# Altium PCB eps-flight.PcbDoc (part 1 of 4) (continued)
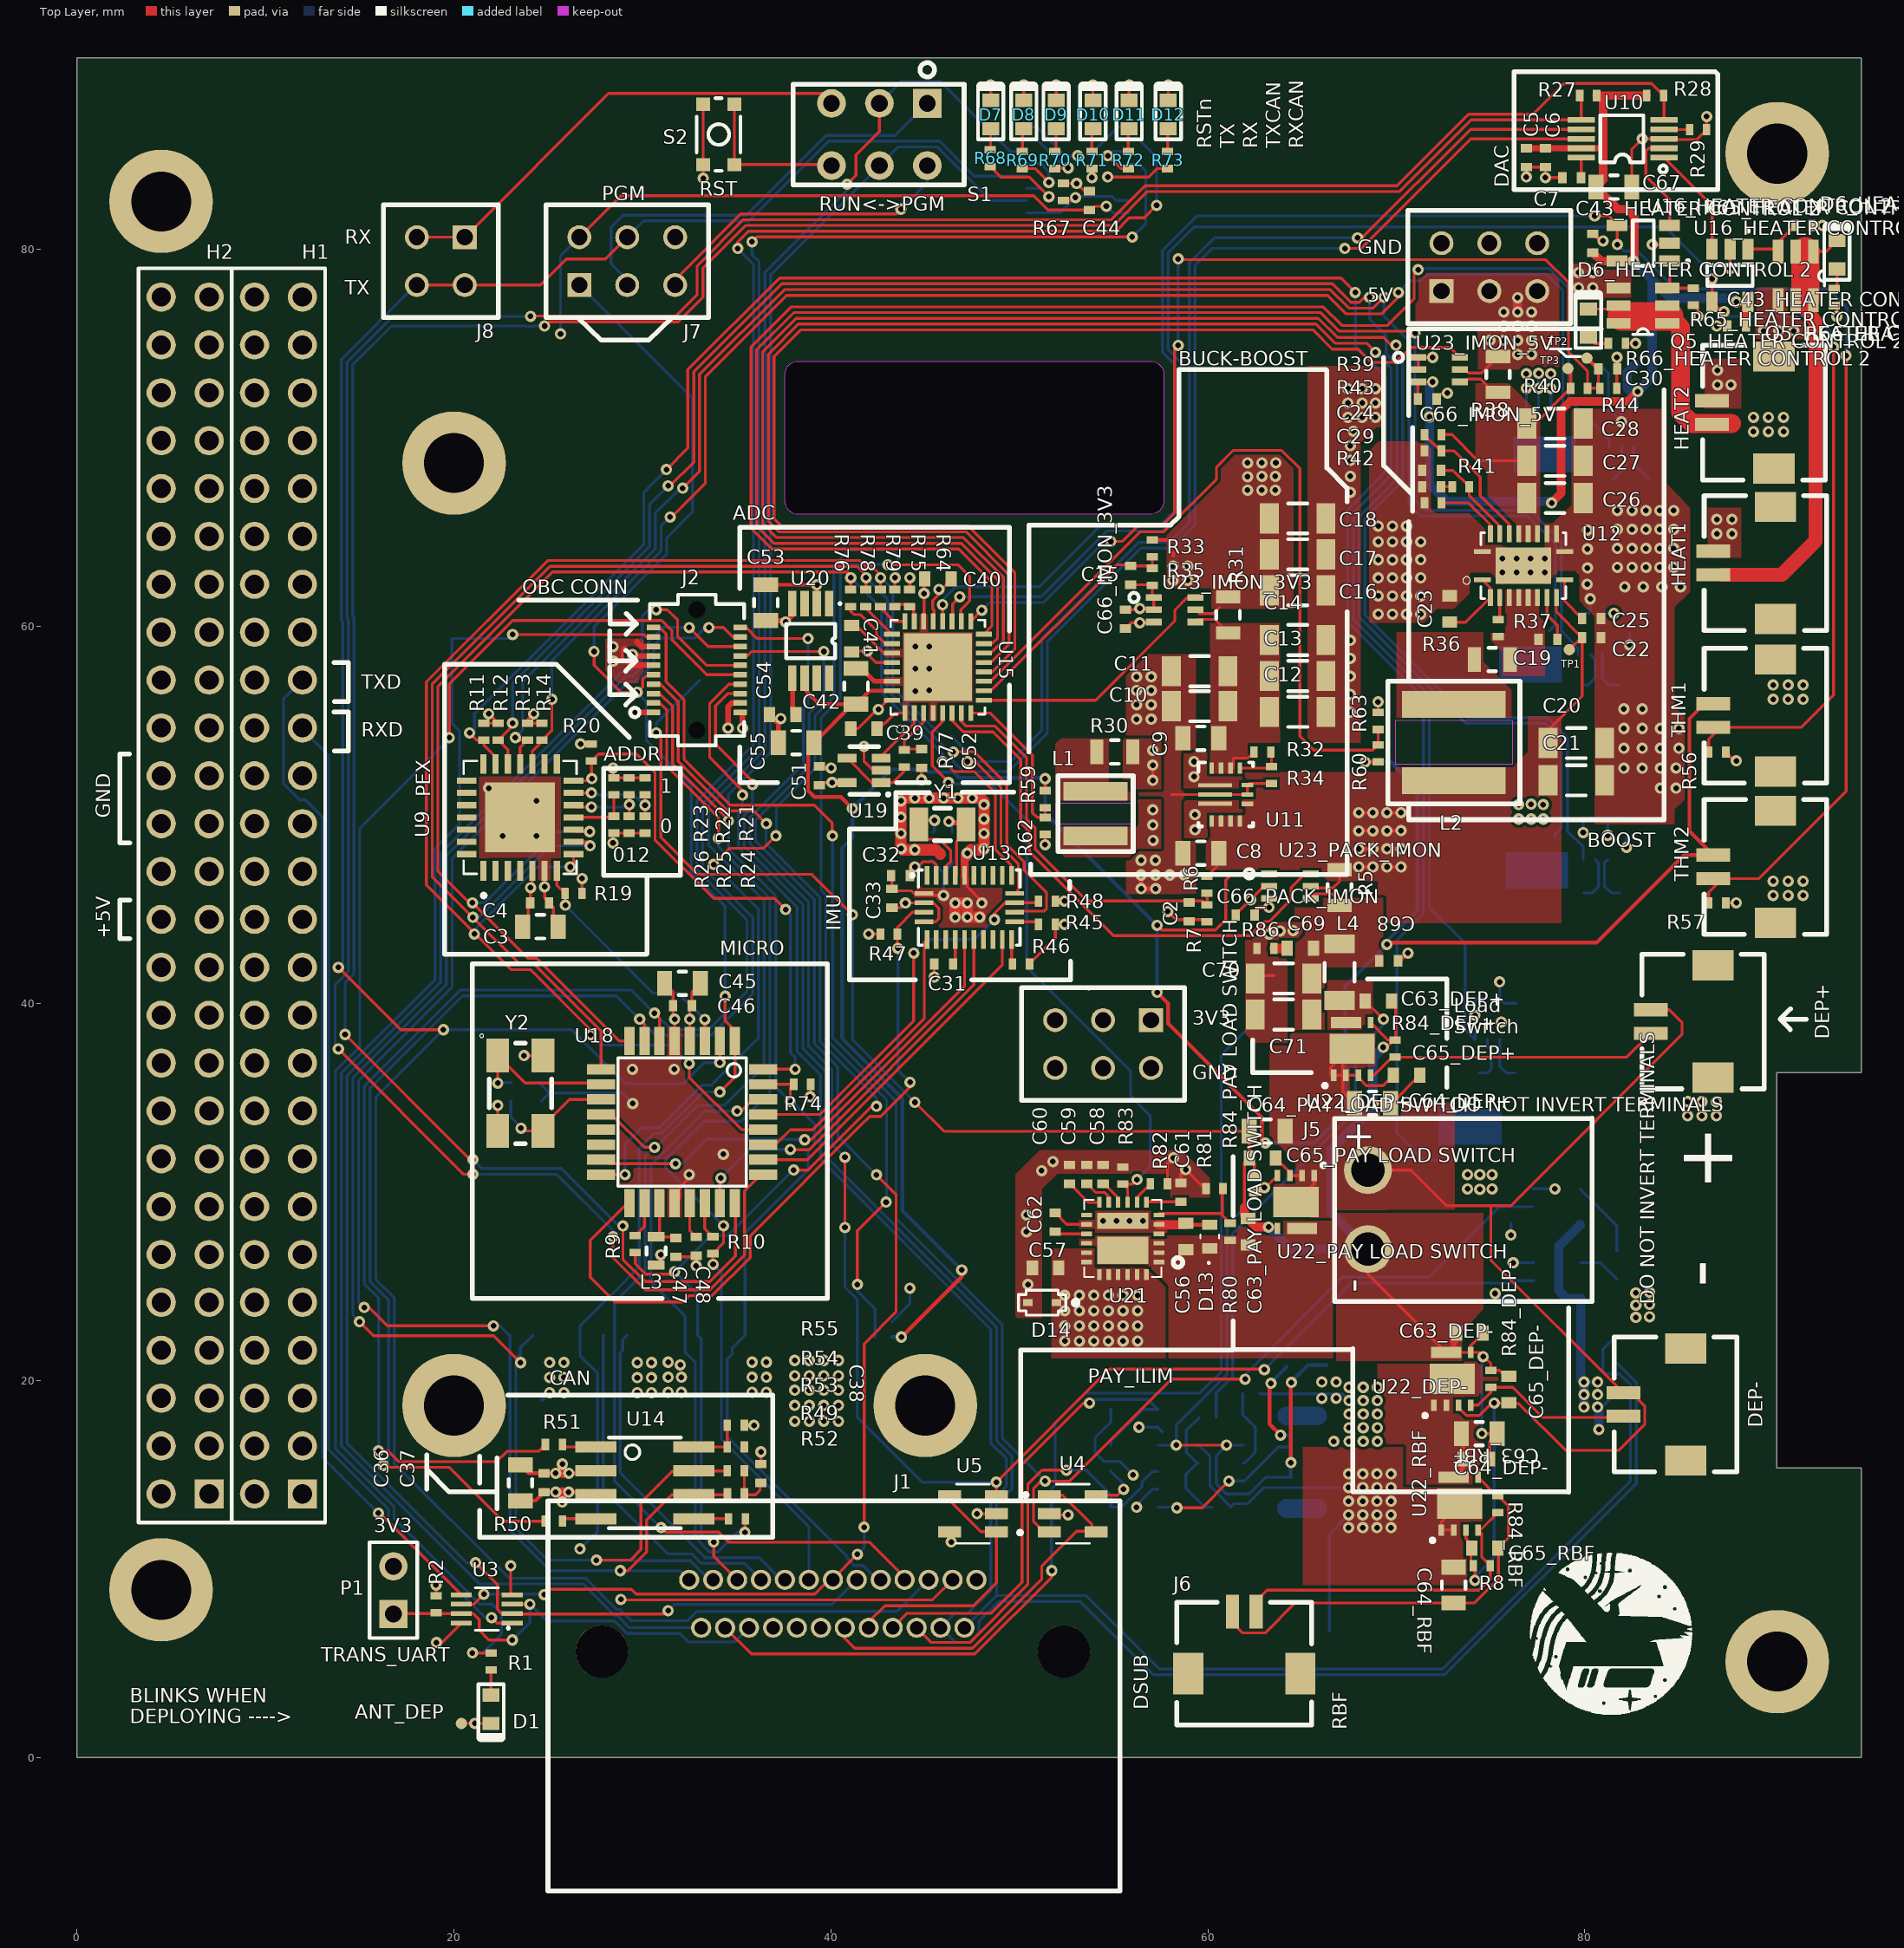
[diagram p0: Top Layer view]
## Components (designator, comment, footprint, x,y, rotation, side; value= is the part's Value field where it differs from the comment)
3V3 "SLW-103-01-G-D" SLW-103-01-X-D 54.436,37.846 r0 top
5V "SLW-103-01-G-D" SLW-103-01-X-D 74.93,79.067 r180 top
*1 "AP9101C-COTRG" SOT-26 60.799,15.748 r90 bottom
C1 "0402" CAP0402R 60.706,13.274 r180 bottom value=100nF
C2 "0402" CAP0402R 59.01,44.855 r90 top value=0.1uF
C3 "0805" CAP0805R 24.586,44.07 r180 top value=10uF
C4 "0402" CAP0402R 24.545,45.34 r180 top value=0.1uF
C5 "0402" CAP0402R 76.887,84.876 r90 top value=0.1uF
C6 "0402" CAP0402R 77.903,84.876 r90 top value=100pF
C7 "0402" CAP0402R 79.299,83.82 r0 top value=150nF
C8 "0805" CAP0805R 59.625,47.973 r0 top value=10uF
C9 "0805" CAP0805R 59.625,54.069 r0 top value=10uF
C10 "1206" CAP1206R 59.563,55.77 r0 top value=22uF
C11 "1206" CAP1206R 59.563,57.625 r0 top value=22uF
C12 "1206" CAP1206R 64.762,55.469 r180 top value=22uF
C13 "1206" CAP1206R 64.762,57.375 r180 top value=22uF
C14 "1206" CAP1206R 64.762,59.281 r180 top value=22uF
C15 "0402" CAP0402R 55.905,62.713 r90 top value=0.1uF
C16 "1206" CAP1206R 64.762,61.921 r180 top value=22uF
C17 "1206" CAP1206R 64.762,63.828 r180 top value=22uF
C18 "1206" CAP1206R 64.762,65.734 r180 top value=22uF
C19 "0402" CAP0402R 78.036,59.322 r0 top value=100nF
C20 "1206" CAP1206R 79.547,53.817 r180 top value=22uF
C21 "1206" CAP1206R 79.547,51.841 r180 top value=22uF
C22 "0402" CAP0402R 80.355,59.403 r180 top value=100nF
C23 "0603" CAP0603R 72.825,60.929 r270 top value=2.2µF
C24 "0402" CAP0402R 71.863,68.28 r0 top value=82pF
C25 "0402" CAP0402R 80.355,60.419 r180 top value=8.2nF
C26 "1206" CAP1206R 78.413,66.817 r180 top value=22uF
C27 "1206" CAP1206R 78.413,68.791 r180 top value=22uF
C28 "1206" CAP1206R 78.413,70.766 r180 top value=22uF
C29 "0402" CAP0402R 71.863,67.421 r0 top value=1.8nF
C30 "0402" CAP0402R 81.214,73.66 r0 top value=0.1uF
C31 "0402" CAP0402R 45.98,42.1 r0 top value=0.1uF
C32 "0402" CAP0402R 43.688,46.79 r0 top value=0.1pF
C33 "0402" CAP0402R 43.236,45.578 r270 top value=0.1pF
C34 "0603" CAP0603R 46.426,48.306 r90 bottom value=22pF
C35 "0603" CAP0603R 45.3,48.306 r90 bottom value=22pF
C36 "0805" CAP0805R 23.523,14.566 r270 top value=10uF
C37 "0402" CAP0402R 24.79,14.572 r270 top value=0.1uF
C38 "0402" CAP0402R 36.284,15.066 r270 top value=47pF
C39 "0603" CAP0603R 41.751,54.578 r180 top value=1uF
C40 "0603" CAP0603R 45.672,62.528 r0 top value=1uF
C41 "0603" CAP0603R 41.097,59.36 r270 top value=1uF
C42 "0805" CAP0805R 41.333,56.825 r270 top value=10uF
"C43_HEATER CONTROL 1" "0402" CAP0402R 88.044,75.946 r0 top value=0.1uF (schematic designator C43)
"C43_HEATER CONTROL 2" "0402" CAP0402R 80.416,80.337 r270 top value=0.1uF (schematic designator C43)
C44 "0402" CAP0402R 53.719,82.598 r270 top value=0.1uF
C45 "0805" CAP0805R 32.125,41.072 r0 top value=10uF
C46 "0402" CAP0402R 32.125,39.878 r0 top value=0.1uF
C47 "0402" CAP0402R 31.778,27.056 r90 top value=0.1uF
C48 "0402" CAP0402R 32.851,27.112 r90 top value=0.1uF
C49 "0603" CAP0603R 23.876,35.971 r180 bottom value=22pF
C50 "0603" CAP0603R 23.876,34.696 r180 bottom value=22pF
C51 "0402" CAP0402R 39.377,52.083 r270 top value=0.1uF
C52 "0402" CAP0402R 44.805,53 r90 top value=220pF
C53 "0805" CAP0805R 36.55,61.265 r90 top value=10uF
C54 "0603" CAP0603R 37.433,55.332 r0 top value=1uF
C55 "0805" CAP0805R 38.155,53.837 r0 top value="10uF 1-1.5 ESR"
C56 "0603" CAP0603R 58.826,27.632 r270 top value=0.01uF
C57 "0603" CAP0603R 51.388,25.971 r0 top value=100pF
C58 "0402" CAP0402R 54.436,30.934 r270 top value=2.2nF
C59 "0402" CAP0402R 53.574,30.934 r270 top value=470nF
C60 "0402" CAP0402R 52.657,30.934 r270 top value=100nF
C61 "0402" CAP0402R 58.572,29.973 r270 top value=4.3nF
C62 "0402" CAP0402R 51.896,28.394 r270 top value=33nF
C63_DEP+ "0603" CAP0603R 69.04,40.132 r180 top value=1uF (schematic designator C63)
C63_DEP- "0603" CAP0603R 73.897,22.508 r180 top value=1uF (schematic designator C63)
"C63_PAY LOAD SWITCH" "0603" CAP0603R 62.128,27.887 r270 top value=1uF (schematic designator C63)
C63_RBF "0603" CAP0603R 74.246,15.828 r180 top value=1uF (schematic designator C63)
C64_DEP+ "0805" CAP0805R 68.732,34.705 r180 top value=10uF (schematic designator C64)
C64_DEP- "0805" CAP0805R 74.397,17.174 r180 top value=10uF (schematic designator C64)
"C64_PAY LOAD SWITCH" "0805" CAP0805R 63.144,33.22 r0 top value=10uF (schematic designator C64)
C64_RBF "0805" CAP0805R 73.034,9.144 r90 top value=10uF (schematic designator C64)
C65_DEP+ "0603" CAP0603R 70.537,36.192 r180 top value=1uF (schematic designator C65)
C65_DEP- "0603" CAP0603R 75.961,19.51 r270 top value=1uF (schematic designator C65)
"C65_PAY LOAD SWITCH" "0603" CAP0603R 62.89,31.804 r0 top value=1uF (schematic designator C65)
C65_RBF "0603" CAP0603R 74.688,11.098 r180 top value=1uF (schematic designator C65)
C66_IMON_3V3 "0402" CAP0402R 55.626,60.398 r270 top value=0.1uF (schematic designator C66)
C66_IMON_5V "0402" CAP0402R 71.63,72.07 r180 top value=0.1uF (schematic designator C66)
C66_PACK_IMON "0402" CAP0402R 61.976,44.686 r0 top value=0.1uF (schematic designator C66)
"C66_X+ IMON" "0402" CAP0402R 81.744,72.644 r0 bottom value=0.1uF (schematic designator C66)
"C66_X- IMON" "0402" CAP0402R 82.366,60.162 r90 bottom value=0.1uF (schematic designator C66)
"C66_Y+ IMON" "0402" CAP0402R 82.2,49.325 r90 bottom value=0.1uF (schematic designator C66)
"C66_Y- IMON" "0402" CAP0402R 76.354,39.514 r90 bottom value=0.1uF (schematic designator C66)
C67 "0805" CAP0805R 81.534,83.312 r180 top value=10uF
C68 "0402" CAP0402R 69.589,42.264 r180 top value=10000pF
C69 "0603" CAP0603R 64.903,42.926 r0 top value=1uF
C70 "1206" CAP1206R 64.008,41.326 r0 top value=22uF
C71 "1206" CAP1206R 64.008,39.414 r0 top value=22uF
C72 "0805" CAP0805R 81.714,73.914 r0 bottom value=10uF
D1 "" LED0603 21.965,2.55 r270 top
D2 "SM74611" TO254P1435X464-3N 67.52,73.66 r180 bottom
D3 "SM74611" TO254P1435X464-3N 67.52,62.477 r180 bottom
D4 "SM74611" TO254P1435X464-3N 67.876,50.311 r180 bottom
D5 "SM74611" TO254P1435X464-3N 65.825,38.862 r180 bottom
"D6_HEATER CONTROL 1" "LED0603" LED0603 93.37,79.723 r90 top (schematic designator D6)
"D6_HEATER CONTROL 2" "LED0603" LED0603 80.185,76.095 r90 top (schematic designator D6)
D7 "LED0603" LED0603 48.476,87.166 r90 top
D8 "LED0603" LED0603 50.229,87.166 r90 top
D9 "LED0603" LED0603 51.949,87.166 r90 top
D10 "LED0603" LED0603 53.9,87.166 r90 top
D11 "LED0603" LED0603 55.823,87.166 r90 top
D12 "LED0603" LED0603 57.895,87.166 r90 top
D13 "ESDA7P60-1U1M" ESDA7P601U1M 60.096,27.632 r90 top
D14 "Part Number: 1SS389" ESC 51.206,24.127 r180 top value=Value
DEP+ "DF13A-2P-1.25H(21)" DF13A-2P-1.25H(21) 83.498,39.043 r270 top
DEP- "DF13A-2P-1.25H(21)" DF13A-2P-1.25H(21) 82.044,18.723 r270 top
H1 "ESQ-126-23-G-D" SSW-126-01-G-D 9.42,13.98 r90 top locked
H2 "ESQ-126-23-G-D" SSW-126-01-G-D 4.47,13.98 r90 top locked
HEAT1 "DF13A-2P-1.25H(21)" DF13A-2P-1.25H(21) 86.807,63.373 r270 top
HEAT2 "DF13A-2P-1.25H(21)" DF13A-2P-1.25H(21) 86.734,71.35 r270 top
J1 "0836149012" 0836149012 40.1,9.42 r180 top locked
J2 "TLH-010-0.50-G-D-A" TLH-010-0.50-G-D-A 32.89,57.69 r270 top locked
J3 "504050-0691" MOLEX_504050-0691 81.687,23.114 r90 bottom
J4 "DF13A-15P-1.25H(21)" DF13A-15P-1.25H(21) 31.686,22.4 r180 bottom
J5 "IPBT-102-H1-T-S-RA-K" SAM9552-ND 68.485,29 r270 top
J6 "DF13A-2P-1.25H(21)" DF13A-2P-1.25H(21) 61.928,7.738 r180 top
J7 "SLW-103-01-G-D" SLW-103-01-X-D 29.193,79.387 r180 top
J8 "SLW-102-01-G-D" SLW-102-01-X-D 19.304,79.387 r0 top
L1 "IND_XAL4020-102ME" XAL4020-102ME 54.043,50.043 r180 top
L2 "IND_XAL6030-222MEB" XAL6030-222MEB 73.05,53.848 r90 top value=2.2uH
L3 "0603" RES0603R 30.724,26.868 r90 top value=10uH
L4 "12A" CAP1206R 66.983,41.656 r90 top value="50Ohms @ 100MHz"
P1 "Header 2" HDR1X2 16.786,7.598 r90 top
PX+ "DF13A-4P-1.25H(51)" DF13A-4P-1.25H(51) 88.036,67.955 r90 bottom
PX- "DF13A-4P-1.25H(51)" DF13A-4P-1.25H(51) 91.262,59.807 r270 bottom
PY+ "DF13A-4P-1.25H(51)" DF13A-4P-1.25H(51) 91.008,48.611 r270 bottom
PY- "DF13A-4P-1.25H(51)" DF13A-4P-1.25H(51) 86.614,37.846 r270 bottom
Q1 "CSD16406Q3" ? 77.867,69.342 r270 bottom
Q2 "CSD16406Q3" ? 77.118,58.166 r270 bottom
Q3 "CSD16406Q3" CSD16406Q3 77.443,47.244 r270 bottom
Q4 "CSD16406Q3" ? 73.914,33.274 r90 bottom
"Q5_HEATER CONTROL 1" "N-MOS" SOT95P280X145-6N 91.184,78.602 r270 top (schematic designator Q5)
"Q5_HEATER CONTROL 2" "N-MOS" SOT95P280X145-6N 83.074,77.019 r180 top (schematic designator Q5)
R1 "0402" RES0402R 21.965,5.09 r90 top value=330
R2 "0402" RES0402R 19.05,8.124 r90 top value=10K
R3 "0402" RES0402R 59.987,18.034 r0 bottom value=330
R4 "0402" RES0402R 62.295,19.304 r180 bottom value=2.7K
R5 "0805" RES0805R 66.983,46.14 r90 top value=2mOhm
R6 "0402" RES0402R 59.952,46.304 r90 top value=10K
R7 "0402" RES0402R 59.948,44.78 r90 top value=10K
R8 "0402" RES0402R 74.528,10.16 r180 top value=50K
R9 "0402" RES0402R 29.62,27.236 r90 top value=100
R10 "0402" RES0402R 33.738,27.176 r90 top value=100
R11 "0402" RES0402R 21.591,54.42 r270 top value=10K
R12 "0402" RES0402R 22.353,54.42 r270 top value=10K
R13 "0402" RES0402R 23.906,54.42 r270 top value=10K
R14 "0402" RES0402R 24.668,54.42 r270 top value=10K
R15 "0805" RES0805R 82.448,67.818 r180 bottom value=10mOhm
R16 "0805" RES0805R 80.824,56.896 r180 bottom value=10mOhm
R17 "0805" RES0805R 80.888,45.868 r180 bottom value=10mOhm
R18 "0805" RES0805R 75.336,36.322 r180 bottom value=10mOhm
R19 "0402" RES0402R 26.345,45.84 r0 top value=10K
R20 "0402" RES0402R 27.298,53.316 r90 top value=10K
R21 "0402" RES0402R 30.139,51.516 r90 top value=0
R22 "0402" RES0402R 29.296,51.52 r90 top value=0
R23 "0402" RES0402R 28.481,51.524 r90 top value=0
R24 "0402" RES0402R 30.139,49.484 r90 top value=0
R25 "0402" RES0402R 29.296,49.488 r90 top value=0
R26 "0402" RES0402R 28.481,49.488 r90 top value=0
R27 "0402" RES0402R 80.174,88.17 r0 top value=10K
R28 "0402" RES0402R 83.73,88.17 r180 top value=10K
R29 "0402" RES0402R 86.004,86.36 r180 top value=1K
R30 "0805" RES0805R 55.059,53.345 r0 top value=10mOhm
R31 "0805" RES0805R 61.071,60.618 r90 top value=10mOhm
R32 "0402" RES0402R 62.89,53.34 r180 top value=562K
R33 "0402" RES0402R 57.048,64.145 r90 top value=10K
R34 "0402" RES0402R 63.373,52.123 r90 top value=180K
R35 "0402" RES0402R 57.048,62.638 r90 top value=10K
R36 "0805" RES0805R 75.082,58.251 r0 top value=10mOhm
R37 "0402" RES0402R 75.391,59.913 r90 top value=412K
R38 "0805" RES0805R 75.391,73.375 r90 top value=10mOhm
R39 "0402" RES0402R 71.938,70.183 r0 top value=220K
R40 "0402" RES0402R 79.69,72.644 r180 top value=10K
R41 "0402" RES0402R 73.413,67.421 r0 top value=15.8K
R42 "0402" RES0402R 71.938,66.562 r0 top value=162K
R43 "0402" RES0402R 71.938,69.324 r0 top value=69.8K
R44 "0402" RES0402R 81.244,72.644 r180 top value=10K
R45 "0402" RES0402R 51.46,44.196 r0 top value=2.2K
R46 "0402" RES0402R 50.085,42.1 r0 top value=2.2K
R47 "0402" RES0402R 43.078,43.688 r180 top value=10K
R48 "0402" RES0402R 51.46,45.428 r0 top value=10K
R49 "0402" RES0402R 34.954,13.983 r180 top value=60.4
R50 "0402" RES0402R 25.301,12.534 r180 top value=100
R51 "0402" RES0402R 25.301,16.598 r180 top value=100
R52 "0402" RES0402R 35.011,12.661 r0 top value=100
R53 "0402" RES0402R 34.953,15.201 r180 top value=60.4
R54 "0402" RES0402R 34.953,16.471 r0 top value=0
R55 "0402" RES0402R 34.953,17.614 r180 top value=0
R56 "0402" RES0402R 87.02,53.34 r180 top value="10K 1%"
R57 "0402" RES0402R 87.02,45.34 r180 top value="10K 1%"
R58 "0402" RES0402R 42.786,22.302 r0 bottom value="10K 1%"
R59 "0402" RES0402R 51.365,50.837 r90 top value="10K 1%"
R60 "0402" RES0402R 69.027,53.268 r270 top value="10K 1%"
R61 "0402" RES0402R 42.786,23.114 r180 bottom value="10K 0.5%"
R62 "0402" RES0402R 51.365,49.42 r90 top value="10K 0.5%"
R63 "0402" RES0402R 69.027,54.988 r270 top value="10K 0.5%"
R64 "0402" RES0402R 44.171,61.509 r90 top value=10K
"R65_HEATER CONTROL 1" "0402" RES0402R 91.592,81.28 r0 top value=1K (schematic designator R65)
"R65_HEATER CONTROL 2" "0402" RES0402R 85.75,77.496 r270 top value=1K (schematic designator R65)
"R66_HEATER CONTROL 1" "0402" RES0402R 93.218,77.48 r90 top value=1K (schematic designator R66)
"R66_HEATER CONTROL 2" "0402" RES0402R 81.694,75.021 r180 top value=1K (schematic designator R66)
R67 "0402" RES0402R 52.34,83.058 r270 top value=10K
R68 "0402" RES0402R 48.451,84.847 r270 top value=330
R69 "0402" RES0402R 50.153,84.747 r270 top value=330
R70 "0402" RES0402R 51.883,84.747 r270 top value=330
R71 "0402" RES0402R 53.844,84.747 r270 top value=330
R72 "0402" RES0402R 55.778,84.747 r270 top value=330
R73 "0402" RES0402R 57.86,84.747 r270 top value=330
R74 "0402" RES0402R 38.475,35.71 r0 top value=30K
R75 "0402" RES0402R 43.383,61.509 r270 top value=100
R76 "0402" RES0402R 41.046,61.509 r270 top value=100
R77 "0402" RES0402R 43.89,53 r90 top value=100
R78 "0402" RES0402R 41.847,61.509 r270 top value=100
R79 "0402" RES0402R 42.628,61.509 r270 top value=100
R80 "0402" RES0402R 61.177,27.886 r270 top value=1M
R81 "0402" RES0402R 60.35,30.172 r0 top value=750K
R82 "0402" RES0402R 57.399,30.426 r180 top value=105
R83 "0402" RES0402R 55.486,30.873 r270 top value=511
R84 "0402" RES0402R 76.073,28.78 r90 bottom value=10K
R84_DEP+ "0402" RES0402R 69.93,37.612 r270 top value=50K (schematic designator R84)
R84_DEP- "0402" RES0402R 75.009,20.084 r270 top value=50K (schematic designator R84)
"R84_PAY LOAD SWITCH" "0402" RES0402R 62.465,30.423 r270 top value=50K (schematic designator R84)
R84_RBF "0402" RES0402R 75.388,13.442 r270 top value=50K (schematic designator R84)
R85 "0402" RES0402R 76.124,24.816 r90 bottom value=10K
R86 "0402" RES0402R 63.047,42.926 r0 top value=2
RTC_BATT "3084" 3084 33.02,57.15 r180 bottom locked
S1 "DPDT" "JS202011AQN - Slide Switch" 42.57,86.106 r270 top
S2 "SW-PB" "PTS830GM140 SMTR LFS - Pushbutton" 34.048,86.106 r270 top
THM1 "DF13A-2P-1.25H(21)" DF13A-2P-1.25H(21) 86.807,55.276 r270 top
THM2 "DF13A-2P-1.25H(21)" DF13A-2P-1.25H(21) 86.807,47.252 r270 top
U1 "SN74LV1T34DBVR" SOT95P280X145-5N 78.492,29.212 r0 bottom
U2 "SN74LV1T34DBVR" SOT95P280X145-5N 78.524,25.296 r0 bottom
U3 "TC7WB67CFKLF" US8 21.742,7.874 r180 top
U4 "ADA4891-1ARJZ-R7" SOT-23-5 52.832,12.922 r0 top value=Value
U5 "ADA4891-1ARJZ-R7" SOT-23-5 47.53,12.924 r180 top value=Value
U6 "IRL6297SDPbF" IRL6297SDPbF 65,15.663 r90 bottom
U7 "ADA4891-1ARJZ-R7" SOT-23-5 56.095,17.518 r180 bottom value=Value
U8 "ADA4891-1ARJZ-R7" SOT-23-5 56.095,14.224 r180 bottom value=Value
U9 "MCP23S17-QFN" QFN65P600X600X100-29 23.51,49.871 r90 top
U10 "DAC7562" SSOP50P300X300-10N 84.199,84.876 r180 top
U11 "TPS630250" RNC0014A 60.945,51.089 r0 top
U12 "TPS61088" QFN50P450X350X100-21N 76.736,63.227 r90 top
U13 "IMU BNO080" 1888-1000-1-ND 47.34,45.09 r90 top
U14 "SN65HVD233D" SOIC127P500X600-8N 30.127,14.566 r270 top
U15 "ADS7953" QFN50P500X500X100-33 45.672,57.841 r90 top
"U16_HEATER CONTROL 1" "MCP6546" SOT95P290X160-5N 88.644,80.022 r270 top (schematic designator U16)
"U16_HEATER CONTROL 2" "MCP6546" SOT95P290X160-5N 84.494,79.387 r180 top (schematic designator U16)
U17 "SN74HC365PW" SOP65P640X120-16N 50.374,81.948 r0 bottom
U18 "ATMEGA64M1" QFP80P900X900X120-32 32.107,33.71 r270 top
U19 "AD8613" SOP65P200X125-5N 42.657,51.72 r180 top
U20 "REF5025" SOP65P300X125-8N 39.9,61.214 r270 top
U21 "eFuse" RGE0024M 55.486,27.53 r180 top
U22_DEP+ "TPS22959DNYT" TPS22959DNYT 67.652,37.592 r90 top (schematic designator U22)
U22_DEP- "TPS22959DNYT" TPS22959DNYT 72.966,20.084 r90 top (schematic designator U22)
"U22_PAY LOAD SWITCH" "TPS22959DNYT" TPS22959DNYT 64.668,29.468 r270 top (schematic designator U22)
U22_RBF "TPS22959DNYT" TPS22959DNYT 73.359,13.462 r90 top (schematic designator U22)
U23_IMON_3V3 "INA214CQDCKRQ1" "TI-SOT-SC70 (DCK)" 58.226,60.887 r0 top (schematic designator U23)
U23_IMON_5V "INA214CQDCKRQ1" "TI-SOT-SC70 (DCK)" 72.259,73.629 r0 top (schematic designator U23)
U23_PACK_IMON "INA214CQDCKRQ1" "TI-SOT-SC70 (DCK)" 64.343,46.228 r0 top (schematic designator U23)
"U23_X+ IMON" "INA214CQDCKRQ1" "TI-SOT-SC70 (DCK)" 81.94,70.612 r270 bottom (schematic designator U23)
"U23_X- IMON" "INA214CQDCKRQ1" "TI-SOT-SC70 (DCK)" 80.28,59.621 r270 bottom (schematic designator U23)
"U23_Y+ IMON" "INA214CQDCKRQ1" "TI-SOT-SC70 (DCK)" 80.558,48.733 r270 bottom (schematic designator U23)
"U23_Y- IMON" "INA214CQDCKRQ1" "TI-SOT-SC70 (DCK)" 74.826,39.173 r270 bottom (schematic designator U23)
Y1 "ABS07-120-32.768KHZ-T" ABS07-120-32.768 45.918,49.505 r0 top
Y2 "8MHz Crystal" OSCSC500X320X110-4N 23.523,35.234 r0 top

## Footprints (in the part's own frame and the unit in brackets; to place one, negate y for a bottom-side part, rotate by r counter-clockwise, add the part's x,y. Pads: shape width x height; smd on the part's side, far side on the other; paste and mask are expansions set on the pad)
1888-1000-1-ND [mm]
  rect 1x0.25 smd: 1(1.7,2.25) 6(-1.7,2.25) 7(-1.7,1.75) 8(-1.7,1.25) 9(-1.7,0.75) 10(-1.7,0.25) 11(-1.7,-0.25) 12(-1.7,-0.75) 13(-1.7,-1.25) 14(-1.7,-1.75) 15(-1.7,-2.25) 20(1.7,-2.25) 21(1.7,-1.75) 22(1.7,-1.25) 23(1.7,-0.75) 24(1.7,-0.25) 25(1.7,0.25) 26(1.7,0.75) 27(1.7,1.25) 28(1.7,1.75)
  rect 0.25x1 smd: 2(0.75,2.4) 3(0.25,2.4) 4(-0.25,2.4) 5(-0.75,2.4) 16(-0.75,-2.4) 17(-0.25,-2.4) 18(0.25,-2.4) 19(0.75,-2.4)
  silkscreen extent -2,-2.7 2,3.1, body extent -2,-2.7 2,2.7, height 1.2
3084 [mm] "CR2330 Battery Holder"
  rect 5.08x5.08 smd: 1(-15.365,-0.051) 1(15.365,-0.051)
  rect 3.96x3.96 smd: 2(0,0)
  silkscreen extent -11.5,-11.5 11.5,4.57, body extent -17,-11.92 17.01,11.32, height 4
0836149012 [mil] "Mini-DSUB 25-pos Connector"
  round 42 hole 28: 1(-300,0) 2(-250,0) 3(-200,0) 4(-150,0) 5(-100,0) 6(-50,0) 7(0,0) 8(50,0) 9(100,0) 10(150,0) 11(200,0) 12(250,0) 13(300,0) 14(-275,100) 15(-225,100) 16(-175,100) 17(-125,100) 18(-75,100) 19(-25,100) 20(25,100) 21(75,100) 22(125,100) 23(175,100) 24(225,100) 25(275,100)
  round 110 hole 110 unplated: ""(-482.5,150) ""(482.5,150)
  silkscreen extent -600,-165 595,650, body extent -594,-38 588,623, height 318
ABS07-120-32.768 [mm] "32.768 kHz crystal"
  rect 1x1.8 smd: 1(-1.25,0) 2(1.25,0)
  silkscreen extent -0.43,-0.86 0.43,0.86, body extent -1.6,-0.75 1.6,0.75, height 0.89
CAP0402R [mm] "Capacitor 0402 reflow soldering"
  rect 0.45x0.6 smd mask+0: 1(-0.5,0) 2(0.5,0)
  body extent -0.5,-0.3 0.5,0.3, height 0.2
CAP0603R [mm] "capacitor 0603 reflow soldering"
  rect 0.6x0.8 smd mask+0: 1(-0.7,0) 2(0.7,0)
  body extent -0.8,-0.4 0.8,0.4, height 0.3
CAP0805R [mm] "capacitor 0805 reflow soldering"
  rect 0.8x1.3 smd mask+0: 1(-0.95,0) 2(0.95,0)
  silkscreen extent -0.2,-0.63 0.2,0.63, body extent -1,-0.62 1,0.63, height 0.78
CAP1206R [mm] "capacitor 1206 reflow soldering"
  rect 1x1.6 smd mask+0: 1(-1.5,0) 2(1.5,0)
  silkscreen extent -0.5,-0.8 0.5,0.8, body extent -1.6,-0.8 1.6,0.8, height 1
CSD16406Q3 [mm] "Power MOSFET"
  rect 0.56x1.8 smd paste-0.25: 1(-1.597,0.325)
  rect 0.56x0.5 smd paste-0.25: 4(-1.597,-0.975) 5(1.343,-0.975) 5(1.343,-0.325) 5(1.343,0.325) 5(1.343,0.975)
  Top Layer region: -0.762,1.651 1.143,1.651 1.143,-1.651 -0.762,-1.651 -0.762,1.27
  silkscreen extent -2.57,-1.96 1.83,1.96, body extent -1.78,-1.65 1.52,1.65, height 1.1
DF13A-2P-1.25H(21) [mm] "2 pos, 1.25mm pitch DF13 connector (H125743CT-ND)"
  rect 0.7x1.8 smd: 1(-0.625,0) 2(0.625,0)
  rect 1.6x2.2 smd: ""(-2.975,3.3) ""(2.975,3.3)
  silkscreen extent -3.58,-0.48 3.58,6.02, body extent -3.58,-0.48 3.58,6.79, height 3.58
DF13A-4P-1.25H(51) [mm] "4 pos, 1.25mm pitch DF13 connector (H125779CT-ND)"
  rect 0.7x1.8 smd: 1(-0.625,-1.956) 2(0.625,-1.956) 3(1.875,-1.956) 4(3.125,-1.956)
  rect 1.6x2.2 smd: ""(-2.975,1.344) ""(5.475,1.344)
  silkscreen extent -3.61,-2.46 6.06,4.04, body extent -3.61,-2.46 6.04,4.75, height 3.58
DF13A-15P-1.25H(21) [mm] "15 pos, 1.25mm pitch DF13 connector (H125988CT-ND)"
  rect 0.7x1.8 smd: 1(-8.75,0) 2(-7.5,0) 3(-6.25,0) 4(-5,0) 5(-3.75,0) 6(-2.5,0) 7(-1.25,0) 8(0,0) 9(1.25,0) 10(2.5,0) 11(3.75,0) 12(5,0) 13(6.25,0) 14(7.5,0) 15(8.75,0)
  rect 1.6x2.2 smd: ""(-11.1,3.3) ""(11.1,3.3)
  silkscreen extent -11.86,-0.64 11.63,6.04, body extent -11.7,-0.5 11.7,6.76, height 3.58
ESC [mil]
  rect 19.81x14 smd paste+0 mask+0: 1(-29.59,0) 2(29.59,0)
  silkscreen extent -75,-26 50,26, body extent -37,-27 37,28, height 39
ESDA7P601U1M [mm]
  rect 0.55x0.8 smd: 1(-0.625,0) 2(0.625,0)
  silkscreen extent -1.45,-0.5 0.1,0.5, body extent -0.84,-0.5 0.84,0.5, height 0.7
HDR1X2 [mm] "Connector; Header; 2 Position"
  rect 1.5x1.5 hole 0.9: 1(0,0)
  round 1.5 hole 0.9: 2(2.54,0)
  silkscreen extent -1.27,-1.27 3.81,1.27
IRL6297SDPbF [mm] "Dual N-Channel Power MOSFET for Charge and Discharge Switching"
  rect 0.55x0.55 smd: 1(-0.8,-0.6) 4(0.8,-0.6)
  rect 0.9x0.75 smd: 2(-0.625,0.6) 5(0.625,0.6)
  rect 0.9x1.25 smd: 3(-2.455,-0.825) 3(-2.455,0.825) 6(2.455,-0.825) 6(2.455,0.825)
  silkscreen extent -2.9,-2.79 2.9,1.8, body extent -2.41,-1.78 2.49,1.78, height 0.7
"JS202011AQN - Slide Switch" [mil]
  rect 60x60 hole 35: 1(-65,100)
  round 60 hole 35: 2(-65,0) 3(-65,-100) 4(65,100) 5(65,0) 6(65,-100)
  silkscreen extent -150,-180 105,177, body extent -148,-178 73,176, height 139
LED0603 [mm] "0603 LED footprint, thick line on the cathode"
  rect 0.7x0.9 smd: 1(-0.75,0) 2(0.75,0)
  silkscreen extent -1.32,-0.67 1.52,0.67, body extent -0.8,-0.4 0.8,0.4, height 0.71
MOLEX_504050-0691 [mm] "Molex connector to antenna"
  rect 0.6x1 smd: 1(3.762,0) 2(2.262,0) 3(0.762,0) 4(-0.738,0) 5(-2.238,0) 6(-3.738,0)
  rect 1.25x1.8 smd: ""(-6.343,5.19) ""(6.367,5.19)
  silkscreen extent -6.92,-0.47 6.92,6.1, body extent -6.77,-0.34 6.78,8.03, height 1.98
OSCSC500X320X110-4N [mm] "ABM3B-8.000MHZ-10-D-1-G-T Abracon 8MHz crystal"
  rect 1.2x1.8 smd: 1(-1.2,2) 2(-1.2,-2) 3(1.2,-2) 4(1.2,2)
  silkscreen extent -2.15,-2.67 1.65,3.15, body extent -1.6,-2.5 1.58,2.5, height 1.1
"PTS830GM140 SMTR LFS - Pushbutton" [mm] "Low profile pushbutton"
  rect 0.7x0.75 smd: 1(-1.6,0.825) 1(1.6,0.825) 2(-1.6,-0.825) 2(1.6,-0.825)
  silkscreen extent -1.92,-1.17 1.92,1.15, body extent -1.75,-1.3 1.75,1.3, height 1.4
QFN50P450X350X100-21N [mm]
  rect 0.26x0.9 smd: 1(-0.75,2.185) 10(-0.75,-2.185) 11(0.75,-2.185) 20(0.75,2.185)
  rect 0.9x0.26 smd: 2(-1.685,1.75) 3(-1.685,1.25) 4(-1.685,0.75) 5(-1.685,0.25) 6(-1.685,-0.25) 7(-1.685,-0.75) 8(-1.685,-1.25) 9(-1.685,-1.75) 12(1.685,-1.75) 13(1.685,-1.25) 14(1.685,-0.75) 15(1.685,-0.25) 16(1.685,0.25) 17(1.685,0.75) 18(1.685,1.25) 19(1.685,1.75)
  rect 1.95x2.95 smd: 21(0,0)
  silkscreen extent -1.75,-2.25 1.75,3.21, body extent -1.75,-2.25 1.75,2.25, height 1
QFN50P500X500X100-33 [mm] "QFN + Pitch P + Body With X Body Length X Height - #Pins"
  rect 0.84x0.26 smd: 1(-2.435,1.75) 2(-2.435,1.25) 3(-2.435,0.75) 4(-2.435,0.25) 5(-2.435,-0.25) 6(-2.435,-0.75) 7(-2.435,-1.25) 8(-2.435,-1.75) 17(2.435,-1.75) 18(2.435,-1.25) 19(2.435,-0.75) 20(2.435,-0.25) 21(2.435,0.25) 22(2.435,0.75) 23(2.435,1.25) 24(2.435,1.75)
  rect 0.26x0.84 smd: 9(-1.75,-2.435) 10(-1.25,-2.435) 11(-0.75,-2.435) 12(-0.25,-2.435) 13(0.25,-2.435) 14(0.75,-2.435) 15(1.25,-2.435) 16(1.75,-2.435) 25(1.75,2.435) 26(1.25,2.435) 27(0.75,2.435) 28(0.25,2.435) 29(-0.25,2.435) 30(-0.75,2.435) 31(-1.25,2.435) 32(-1.75,2.435)
  rect 3.6x3.6 smd: 33(0,0)
  silkscreen extent -3.47,-2.5 2.5,2.5, body extent -2.55,-2.55 2.55,2.55, height 0.78
QFN65P600X600X100-29 [mm] "QFN + Pitch P + Body With X Body Length X Height - #Pins"
  rect 1.04x0.33 smd: 1(-2.835,1.95) 2(-2.835,1.3) 3(-2.835,0.65) 4(-2.835,0) 5(-2.835,-0.65) 6(-2.835,-1.3) 7(-2.835,-1.95) 15(2.835,-1.95) 16(2.835,-1.3) 17(2.835,-0.65) 18(2.835,0) 19(2.835,0.65) 20(2.835,1.3) 21(2.835,1.95)
  rect 0.33x1.04 smd: 8(-1.95,-2.835) 9(-1.3,-2.835) 10(-0.65,-2.835) 11(0,-2.835) 12(0.65,-2.835) 13(1.3,-2.835) 14(1.95,-2.835) 22(1.95,2.835) 23(1.3,2.835) 24(0.65,2.835) 25(0,2.835) 26(-0.65,2.835) 27(-1.3,2.835) 28(-1.95,2.835)
  rect 3.7x3.7 smd: 29(0,0)
  silkscreen extent -4.24,-3 3,3, body extent -3.05,-3.05 3.05,3.05, height 1
QFP80P900X900X120-32 [mm] "QFN + Pitch P + Body With X Body Length X Height - #Pins"
  rect 1.5x0.55 smd: 1(-4.3,2.8) 2(-4.3,2) 3(-4.3,1.2) 4(-4.3,0.4) 5(-4.3,-0.4) 6(-4.3,-1.2) 7(-4.3,-2) 8(-4.3,-2.8) 17(4.3,-2.8) 18(4.3,-2) 19(4.3,-1.2) 20(4.3,-0.4) 21(4.3,0.4) 22(4.3,1.2) 23(4.3,2) 24(4.3,2.8)
  rect 0.55x1.5 smd: 9(-2.8,-4.3) 10(-2,-4.3) 11(-1.2,-4.3) 12(-0.4,-4.3) 13(0.4,-4.3) 14(1.2,-4.3) 15(2,-4.3) 16(2.8,-4.3) 25(2.8,4.3) 26(2,4.3) 27(1.2,4.3) 28(0.4,4.3) 29(-0.4,4.3) 30(-1.2,4.3) 31(-2,4.3) 32(-2.8,4.3)
  silkscreen extent -3.4,-3.4 3.4,3.4, body extent -4.62,-4.62 4.63,4.63, height 1.2
RES0402R [mm] "resistor 0402 reflow soldering"
  rect 0.4x0.6 smd mask+0: 1(-0.45,0) 2(0.45,0)
  body extent -0.5,-0.25 0.5,0.25, height 0.3
RES0603R [mm] "resistor 0603 reflow soldering"
  rect 0.5x0.9 smd mask+0: 1(-0.75,0) 2(0.75,0)
  silkscreen extent -0.2,-0.5 0.2,0.5, body extent -0.8,-0.4 0.8,0.4, height 0.45
RES0805R [mm] "resistor 0805 reflow soldering"
  rect 0.7x1.3 smd mask+0: 1(-0.95,0) 2(0.95,0)
  silkscreen extent -0.2,-0.63 0.2,0.63, body extent -1,-0.63 1,0.62, height 0.5
RGE0024M [mm] "eFuse"
  rect 0.575x0.24 smd paste+0 mask+0.051: 1(-1.913,1.25) 2(-1.913,0.75) 3(-1.913,0.25) 4(-1.913,-0.25) 5(-1.913,-0.75) 6(-1.913,-1.25) 13(1.913,-1.25) 14(1.913,-0.75) 15(1.913,-0.25) 16(1.913,0.25) 17(1.913,0.75) 18(1.913,1.25)
  rect 0.24x0.575 smd paste+0 mask+0.051: 7(-1.25,-1.912) 8(-0.75,-1.912) 9(-0.25,-1.912) 10(0.25,-1.912) 11(0.75,-1.912) 12(1.25,-1.912) 19(1.25,1.913) 20(0.75,1.913) 21(0.25,1.913) 22(-0.25,1.913) 23(-0.75,1.913) 24(-1.25,1.913)
  rect 2.7x1.45 smd paste-1.337 mask+0.051: 25(0,0.625)
  rect 2.7x0.85 smd paste-1.337 mask+0.051: 26(0,-0.925)
  silkscreen extent -3.17,-2.05 2.05,2.05, body extent -2.03,-2.03 2.03,2.03, height 1
RNC0014A [mm]
  rect 1.79x0.22 smd paste-0.882 mask+0.051: 1(-0.555,0.49) 2(-0.555,0) 3(-0.555,-0.49)
  rect 0.24x0.6 smd paste+0 mask+0.051: 4(-0.75,-1.4) 5(-0.25,-1.4) 6(0.25,-1.4) 7(0.75,-1.4) 11(0.75,1.4) 12(0.25,1.4) 13(-0.25,1.4) 14(-0.75,1.4)
  rect 0.6x0.24 smd paste+0 mask+0.051: 8(1.15,-0.5) 9(1.15,0) 10(1.15,0.5)
  silkscreen extent -1.45,-1.7 1.45,1.7, body extent -1.3,-1.55 1.3,1.55, height 1
SAM9552-ND [mil] "Samtec Connector Through Hole, Right Angle 2 pos 0.165\" (4.20mm) pitch"
  round 100 hole 70 mask+3: 1(80,0) 2(-85,0)
  silkscreen extent -193,-69 189,468, body extent -247,-19 243,953, height 386
SLW-102-01-X-D [mil] "CONN RCPT 4POS 0.1 GOLD PCB"
  rect 50x50 hole 34: 1(50,50)
  round 50 hole 34: 2(50,-50) 3(-50,50) 4(-50,-50)
  silkscreen extent -120,-118 120,118, body extent -100,-97 100,98, height 180
SLW-103-01-X-D [mil] "CONN RCPT 6POS 0.1 GOLD PCB"
  rect 50x50 hole 34: 1(100,50)
  round 50 hole 34: 2(100,-50) 3(0,50) 4(0,-50) 5(-100,50) 6(-100,-50)
  silkscreen extent -170,-118 170,118, body extent -150,-97 150,98, height 180
SOIC127P500X600-8N [mm]
  rect 0.6x2.2 smd: 1(-1.905,-2.6) 2(-0.635,-2.6) 3(0.635,-2.6) 4(1.905,-2.6) 5(1.905,2.6) 6(0.635,2.6) 7(-0.635,2.6) 8(-1.905,2.6)
  silkscreen extent -2.4,-1.9 2.4,1.9, body extent -2.46,-2.67 2.44,2.69, height 2.03
SOP65P200X125-5N [mm] "SOP + Pitch P + Lead Span Nominal X Height - #Pins"
  rect 1x0.47 smd: 1(0,0) 2(0,-0.65) 3(0,-1.3) 4(1.8,-1.3) 5(1.8,0)
  silkscreen extent -0.42,-1.91 1.65,0.67, body extent -0.3,-1.74 2.08,0.47, height 1.7
SOP65P300X125-8N [mm] "SOP + Pitch P + Lead Span Nominal X Height - #Pins"
  rect 1.35x0.45 smd: 1(0,0) 2(0,-0.65) 3(0,-1.3) 4(0,-1.95) 5(3.95,-1.95) 6(3.95,-1.3) 7(3.95,-0.65) 8(3.95,0)
  silkscreen extent 0,-2.28 2.9,0.58, body extent -0.64,-2.47 4.51,0.54, height 0.95
SOP65P640X120-16N [mm] "SOP + Pitch P + Lead Span Nominal X Height - #Pins"
  rect 1.4x0.35 smd: 1(0,0) 2(0,-0.65) 3(0,-1.3) 4(0,-1.95) 5(0,-2.6) 6(0,-3.25) 7(0,-3.9) 8(0,-4.55) 9(5.4,-4.55) 10(5.4,-3.9) 11(5.4,-3.25) 12(5.4,-2.6) 13(5.4,-1.95) 14(5.4,-1.3) 15(5.4,-0.65) 16(5.4,0)
  silkscreen extent 1.53,-4.88 3.87,0.33, body extent -0.61,-4.84 5.99,0.27, height 1.2
SOT95P280X145-5N [mm] "Logic Level Shifter (Single Buffer)"
  rect 1.21x0.59 smd: 1(-1.255,0.95) 2(-1.255,0) 3(-1.255,-0.95) 4(1.255,-0.95) 5(1.255,0.95)
  silkscreen extent -2.6,-1.53 0.88,1.53, body extent -1.4,-1.45 1.4,1.45, height 1.45
SOT95P280X145-6N [mil] "SOT + Pitch P + Nominal Lead Length X Height - #Pins"
  rect 50x22 smd: 1(-51,37) 2(-51,0) 3(-51,-37) 4(51,-37) 5(51,0) 6(51,37)
  silkscreen extent -21,48 21,60, body extent -59,-60 59,60, height 57
SOT95P290X160-5N [mm] "SOT + Pitch P + Nominal Lead Length X Height - #Pins"
  rect 1.1x0.6 smd: 1(0,0) 2(0,-0.95) 3(0,-1.9) 4(2.8,-1.9) 5(2.8,0)
  silkscreen extent -0.99,-2.16 1.96,0.25, body extent 0,-2.39 2.79,0.51, height 0.99
SOT-23-5 [mm] "5-pin SOT package"
  rect 1.22x0.6 smd: 1(-1.245,0.95) 2(-1.245,0) 3(-1.245,-0.95) 4(1.245,-0.95) 5(1.245,0.95)
  silkscreen extent -2.6,-1.57 0.88,1.57, body extent -1.55,-1.5 1.65,1.5, height 0.92
SOT-26 [mm]
  rect 0.55x0.8 smd: 1(0.813,1.079) 2(-0.137,1.079) 3(-1.087,1.079) 4(-1.087,-1.321) 5(-0.137,-1.321) 6(0.813,-1.321)
  silkscreen extent -1.65,-0.69 2.08,1.37, body extent -1.69,-1.62 1.41,1.38, height 1.4
SSOP50P300X300-10N [mm] "Footprint is labelled incorrectly, should be SSOP + Pitch P + Nominal Lead Length X Height - #Pins"
  rect 1.45x0.3 smd: 1(0,0) 2(0,-0.5) 3(0,-1) 4(0,-1.5) 5(0,-2) 6(4.4,-2) 7(4.4,-1.5) 8(4.4,-1) 9(4.4,-0.5) 10(4.4,0)
  silkscreen extent -0.15,-2.25 3.38,0.81, body extent -0.29,-2.56 4.76,0.53, height 1.09
SSW-126-01-G-D [mm] "Elevated Socket, 2x26 Pins, Vertical, 2.54mm Pitch, Female"
  rect 1.55x1.55 hole 1.02: 1(0,-2.54)
  round 1.55 hole 1.02: 2(0,0) 3(2.54,-2.54) 4(2.54,0) 5(5.08,-2.54) 6(5.08,0) 7(7.62,-2.54) 8(7.62,0) 9(10.16,-2.54) 10(10.16,0) 11(12.7,-2.54) 12(12.7,0) 13(15.24,-2.54) 14(15.24,0) 15(17.78,-2.54) 16(17.78,0) 17(20.32,-2.54) 18(20.32,0) 19(22.86,-2.54) 20(22.86,0) 21(25.4,-2.54) 22(25.4,0) 23(27.94,-2.54) 24(27.94,0) 25(30.48,-2.54) 26(30.48,0) 27(33.02,-2.54) 28(33.02,0) 29(35.56,-2.54) 30(35.56,0) 31(38.1,-2.54) 32(38.1,0) 33(40.64,-2.54) 34(40.64,0) 35(43.18,-2.54) 36(43.18,0) 37(45.72,-2.54) 38(45.72,0) 39(48.26,-2.54) 40(48.26,0) 41(50.8,-2.54) 42(50.8,0) 43(53.34,-2.54) 44(53.34,0) 45(55.88,-2.54) 46(55.88,0) 47(58.42,-2.54) 48(58.42,0) 49(60.96,-2.54) 50(60.96,0) 51(63.5,-2.54) 52(63.5,0)
  silkscreen extent -1.53,-3.74 65.03,1.2, body extent -1.52,-3.75 65.02,1.21, height 8.51
"TI-SOT-SC70 (DCK)" [mm] "IC CURR SENSE 1 CIRCUIT SC70-6"
  rect 0.85x0.35 smd: 1(-1.1,0.65) 2(-1.1,0) 3(-1.1,-0.65) 4(1.1,-0.65) 5(1.1,0) 6(1.1,0.65)
  silkscreen extent -2.4,0.4 -1.9,0.9, body extent -1.05,-1 1.05,1, height 1
TLH-010-0.50-G-D-A [mm]
  rect 0.3x0.7 smd: 1(2.25,-2.3) 2(2.25,2.3) 3(1.75,-2.3) 4(1.75,2.3) 5(1.25,-2.3) 6(1.25,2.3) 7(0.75,-2.3) 8(0.75,2.3) 9(0.25,-2.3) 10(0.25,2.3) 11(-0.25,-2.3) 12(-0.25,2.3) 13(-0.75,-2.3) 14(-0.75,2.3) 15(-1.25,-2.3) 16(-1.25,2.3) 17(-1.75,-2.3) 18(-1.75,2.3) 19(-2.25,-2.3) 20(-2.25,2.3)
  round 0 hole 0.9 unplated: ""(-3.2,0) ""(3.2,0)
  silkscreen extent -4,-3.55 4,2.5, body extent -4,-2.5 4,2.5, height 1.78
TO254P1435X464-3N [mm]
  rect 2.8x1.05 smd: 1(-6.19,2.54) 2(-6.19,-2.54)
  rect 5.08x8.33 smd: 3(3.53,0)
  rect 1.91x10.8 smd: 3(7.025,0)
  silkscreen extent -7.65,-5.21 5.8,5.21, body extent -7.32,-5.08 7.78,5.08, height 4.55
TPS22959DNYT [mm]
  rect 0.6x0.3 smd: 1(-1.4,0.975) 2(-1.4,0.325) 3(-1.4,-0.325) 4(-1.4,-0.975) 5(1.4,-0.975)
  rect 0.6x1.6 smd: 8(1.4,0.325)
  rect 1.6x2.4 smd: 9(0,0)
  silkscreen extent -2.05,1.35 -1.85,1.55, body extent -1.5,-1.5 1.5,1.5, height 0.8
US8 [mm]
  rect 1.111x0.254 smd paste+0 mask+0: 1(-1.35,0.75) 2(-1.35,0.25) 3(-1.35,-0.25) 4(-1.35,-0.75) 5(1.35,-0.75) 6(1.35,-0.25) 7(1.35,0.25) 8(1.35,0.75)
  silkscreen extent -1.14,-1.13 0.61,1.13, body extent -1.55,-1 1.55,1, height 0.75
XAL4020-102ME [mm]
  rect 3.4x0.98 smd: 1(0,1.154) 2(0,-1.216)
  Top Layer keep-out region: -2.108,-0.559 2.134,-0.559 2.134,0.508 -2.108,0.508
  silkscreen extent -1.99,-2.04 2.01,1.98, body extent -2.14,-2.18 2.16,2.12, height 2.1
XAL6030-222MEB [mm]
  rect 1.43x5.5 smd: 1(-2.02,0) 2(2.02,0)
  Top Layer keep-out region: -1.15,-3.12 1.15,-3.12 1.15,3.12 -1.15,3.12
  silkscreen extent -3.25,-3.5 3.25,3.5, body extent -3.28,-3.38 3.28,3.38, height 2.1
? [mm] "Power MOSFET"
  rect 0.56x0.5 smd paste-0.25: 1(-1.597,-0.325) 1(-1.597,0.325) 1(-1.597,0.975) 4(-1.597,-0.975) 5(1.343,-0.975) 5(1.343,-0.325) 5(1.343,0.325) 5(1.343,0.975)
  Top Layer region: -0.762,1.651 1.143,1.651 1.143,-1.651 -0.762,-1.651
  silkscreen extent -2.57,-1.96 1.83,1.96, body extent -1.78,-1.65 1.52,1.65, height 1.1